# Altium PCB SolderingStation.PcbDoc (part 1 of 2) (continued)
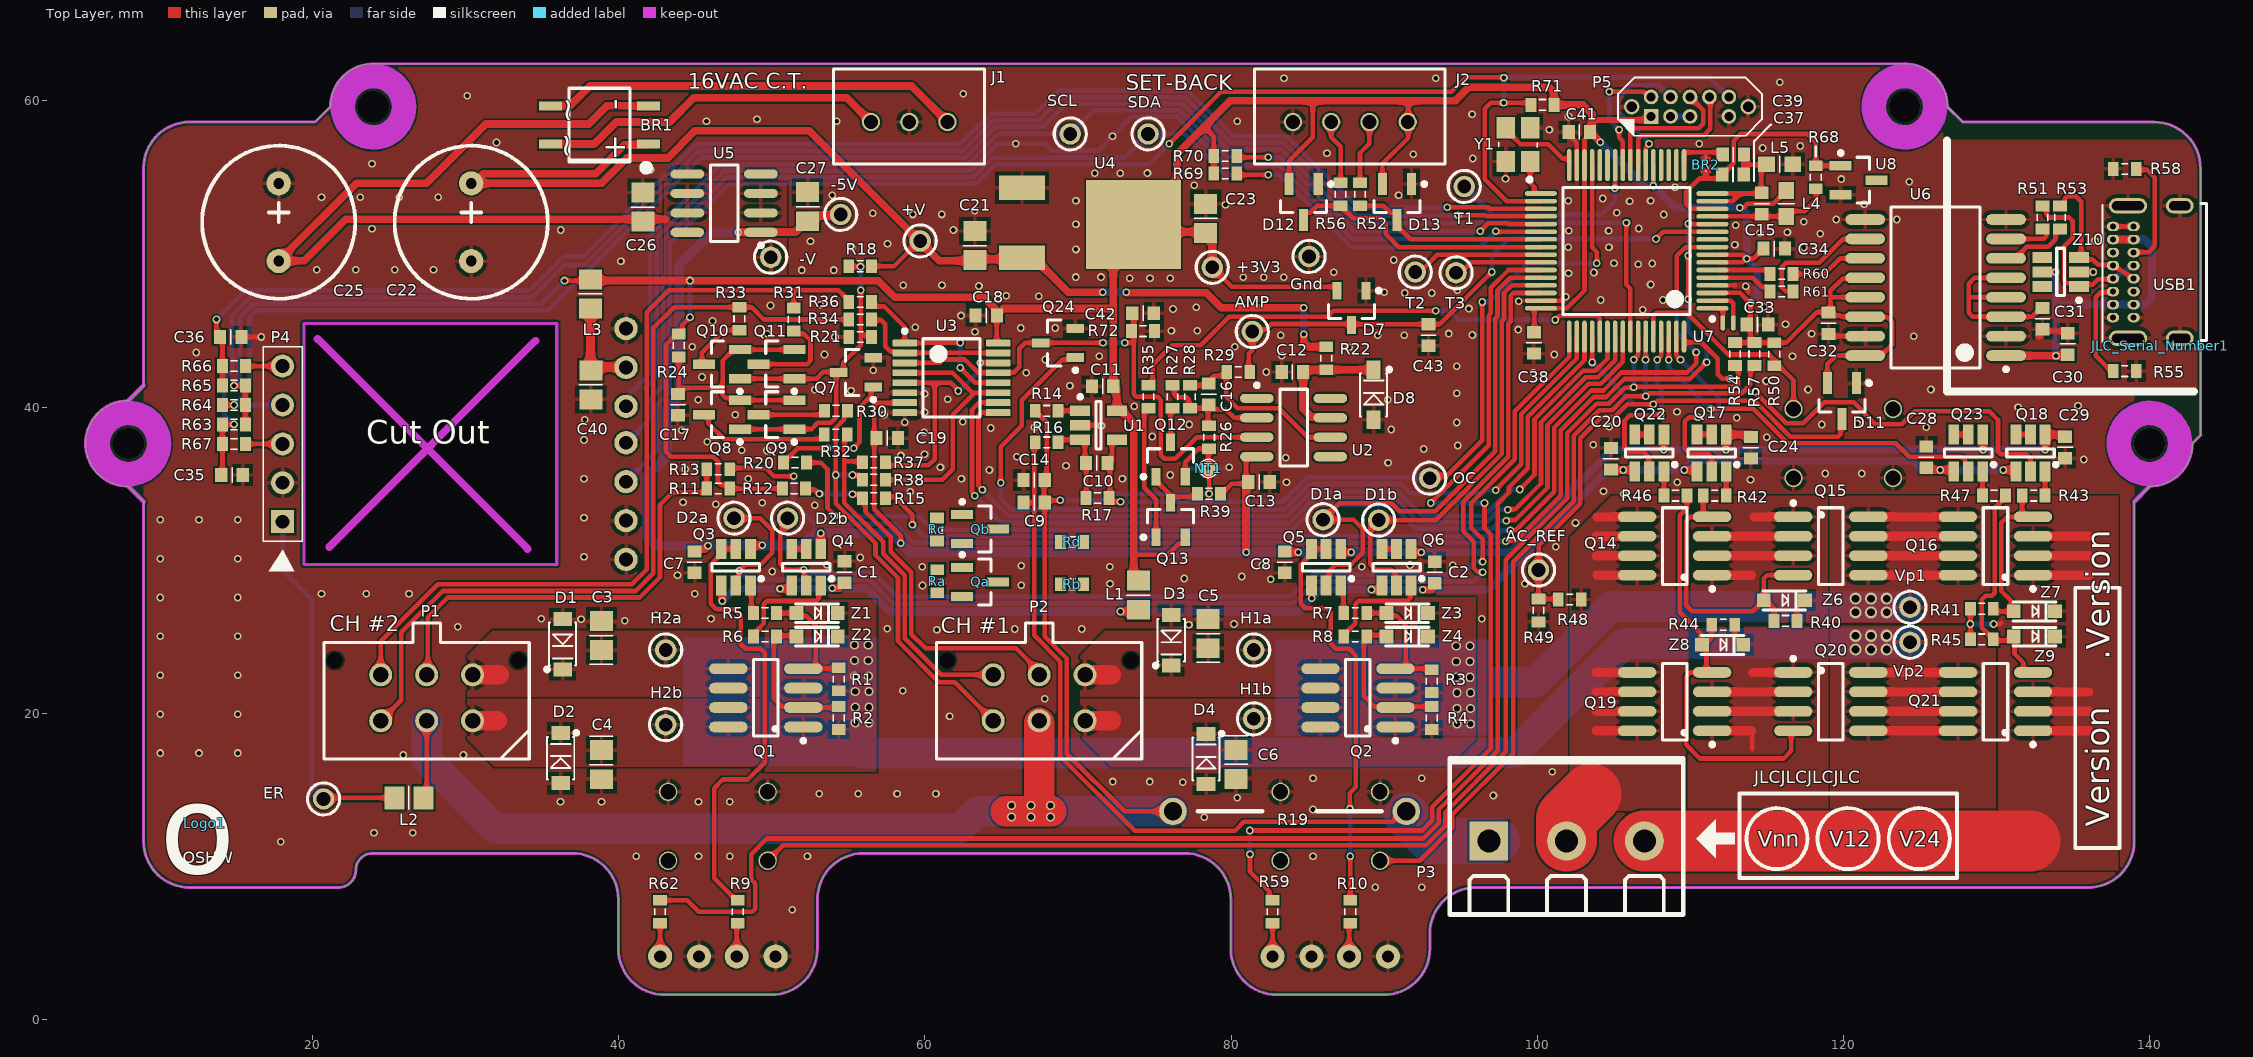
[diagram p0: Top Layer view]
## Footprints (in the part's own frame and the unit in brackets; to place one, negate y for a bottom-side part, rotate by r counter-clockwise, add the part's x,y. Pads: shape width x height; smd on the part's side, far side on the other; paste and mask are expansions set on the pad)
CC2012-0805 [mm]
  rect 1.3x1.5 smd: 1(-0.95,0) 2(0.95,0)
  silkscreen extent -1.87,-0.75 0,0.75, body extent -1,-0.62 1,0.63, height 0.78
CCNP1608-0603_N [mm]
  rect 0.8x0.9 smd: 1(-0.7,0) 2(0.7,0)
  silkscreen extent 0,-0.48 0,0.48, body extent -0.8,-0.4 0.8,0.4, height 0.3
CCNP2012-0805 [mm]
  rect 1.3x1.5 smd: 1(-0.95,0) 2(0.95,0)
  silkscreen extent 0,-0.75 0,0.75, body extent -1,-0.62 1,0.63, height 0.78
CR1608-0603_N [mm]
  rect 0.7x0.9 smd: 1(-0.75,0) 2(0.75,0)
  silkscreen extent -0.2,-0.35 0.2,0.35, body extent -0.85,-0.4 0.85,0.4, height 0.56
CRYSTAL_SMD_3.2X2.5 [mm] "Crystal SMT low profile 3.2 x 2.5 SMD"
  rect 1.4x1.2 smd: 1(-1.1,-0.8) 2(1.1,-0.8) 3(1.1,0.8) 4(-1.1,0.8)
  silkscreen extent -2.39,-1.25 0.15,1.25, body extent -1.55,-1.24 1.65,1.26, height 0.7
FB1608-0603 [mm] "Ferrite Bead 0603"
  rect 1.1x1 smd: 1(-0.85,0) 2(0.85,0)
  silkscreen extent 0,-0.53 0,0.53, body extent -0.8,-0.4 0.8,0.4, height 0.8
FB2012-0805 [mm] "Ferrite Bead 0805"
  rect 1.3x1.5 smd: 1(-0.95,0) 2(0.95,0)
  silkscreen extent 0,-0.75 0,0.75, body extent -1,-0.62 1,0.63, height 0.85
HDR1X5S [mm] "Header; 5 Position; Straight"
  rect 1.5x1.5 hole 0.9: 1(0,0)
  round 1.5 hole 0.9: 2(2.54,0) 3(5.08,0) 4(7.62,0) 5(10.16,0)
  silkscreen extent -3.24,-1.27 11.43,1.27, body extent -1.27,-1.27 11.43,1.27, height 6
JLC_SERIAL_NUMBER [mm] "JLC Serial Number"
JST-B3B-XH-AX [mm] "JST 3-pin connector PCB mount"
  round 1.2 hole 0.9: 1(-2.5,0) 2(0,0) 3(2.5,0)
  silkscreen extent -4.92,-3.45 4.95,2.75, body extent -4.95,-3.37 4.95,2.72, height 7
JST-B4B-XH-AX [mm] "JST 4-pin connector PCB mount"
  round 1.2 hole 0.9: 1(-3.75,0) 2(-1.25,0) 3(1.25,0) 4(3.75,0)
  silkscreen extent -6.17,-3.45 6.25,2.75, body extent -6.2,-3.37 6.2,2.72, height 7
"LED3MM-GREEN - 10MM PROUD" [mil] "LED 3mm through-hole"
  round 62 hole 31.5: A(-50,0) K(50,0)
  silkscreen extent -58,-75 53,75, body extent -75,-75 63,75, height 413
"LED3MM-RED - 10MM PROUD" [mil] "LED 3mm through-hole"
  round 62 hole 31.5: A(-50,0) K(50,0)
  silkscreen extent -58,-75 53,75, body extent -75,-75 63,75, height 413
MB1S [mm] "Bridge Rectifier Diode, Single Phase, 100 V, 800 mA, SOIC, 1.1 V, 4 Pins"
  rect 1.5x0.6 smd: 1(-3.2,1.25) 2(-3.2,-1.25) 3(3.2,-1.25) 4(3.2,1.25)
  silkscreen extent -3.25,-2.4 2,2.99, body extent -3.5,-2.35 3.5,2.35, height 2.4
MOLEX-39544-3003 [mm] "Wire-To-Board Terminal Block"
  rect 2.54x2.54 hole 1.5: 1(0,0)
  round 2.54 hole 1.5: 2(0,5.08) 3(0,10.16)
  silkscreen extent -5.4,-2.54 4.83,12.7, body extent -5.08,-2.54 4.83,12.7, height 14.6
MOLEX-43045-0612 [mm] "Wire-To-Board Connector, With Polarizing Peg, 3 mm, 6 Contacts, Header, Micro-Fit 3.0 43045 Series"
  round 0.8 hole 1.02: 0(-6,2.44) 0(6,2.44)
  round 1.5 hole 1.02: 1(3,-1.5) 2(0,-1.5) 3(-3,-1.5) 4(3,1.5) 5(0,1.5) 6(-3,1.5)
  silkscreen extent -6.7,-4 6.7,4.9, body extent -6.57,-3.94 6.58,4.83, height 9.95
NETTIEVIA [mm] "Net Tie (Short)"
  round 1 smd far side: 1(0,0)
  round 1 smd: 2(0,0)
  silkscreen extent -0.6,-0.6 0.6,0.6
OAR3-R050FI [mm] "Current Sense Resistor, 0.05 ohm, OAR Series, 3 W, Metal Strip, Radial Leaded, ± 1%"
  round 1.8 hole 1.2: 1(-7.62,0) 2(7.62,0)
  silkscreen extent -6,0 6,0, body extent -8.25,-0.82 8.23,0.83, height 24.21
"OLED_DISPLAY_128X64_2.4INCH - NO MOUNTING HOLES" [mm] "2.4 inch OLED Display"
  round 1.524 hole 0.9: 1(-33.5,7.572) 2(-33.5,5.032) 3(-33.5,2.492) 4(-33.5,-0.048) 5(-33.5,-2.428) 6(-33.5,-4.968) 7(-33.5,-7.508)
  silkscreen extent -36,-21.5 36,21.5, body extent -35.99,-21.45 36.01,21.55, height 6.4
OSHW [mm] "OSHW Logo"
"PCBPIN - 0.9MM" [mm]
  round 1.4 hole 0.9: 1(0,0)
  silkscreen extent -1.05,-1.05 1.05,1.05, body extent -1.27,-1.27 1.27,1.27, height 6
RB5/10X13MM [mil]
  round 62 hole 28: 1(-100,0) 2(100,0)
  silkscreen extent -197,-197 197,197, body extent -197,-197 197,197, height 512
SO-8_M [mm] "8-Pin Small Outline Integrated Circuit 1.27 mm Pitch, IPC Low Density"
  oval 0.7x2.5 smd: 1(-1.905,-2.45) 2(-0.635,-2.45) 3(0.635,-2.45) 4(1.905,-2.45) 5(1.905,2.45) 6(0.635,2.45) 7(-0.635,2.45) 8(-1.905,2.45)
  silkscreen extent -2.93,-2.57 2.5,0.8, body extent -2.5,-3.1 2.5,3.1, height 1.75
SOD-123 [mm] "SOD-123; 2 Leads; Body 2.7 x 1.6 mm, (LxW)"
  rect 1.22x0.91 smd: A(1.64,0) K(-1.64,0)
  silkscreen extent -1.78,-0.89 1.41,1.14, body extent -1.85,-0.77 1.85,0.78, height 1.35
SOD-123FL [mil] "SOD-123-Flat , 2-Leads, Body 2.7x1.65mm"
  rect 36x48 smd: A(64.5,0) K(-64.5,0)
  silkscreen extent -70,-35 55,45, body extent -71,-32 71,32, height 37
SOD-323 [mm]
  rect 0.9x0.9 smd: A(1.347,0.004) K(-1.353,0.004)
  silkscreen extent -1.4,-0.6 1.4,0.64, body extent -1.35,-0.62 1.35,0.63, height 1.1
SOIC127P600-8N [mm] "SOIC, 8-Leads, Body 4.9x3.9mm, Pitch 1.27mm, IPC Medium Density"
  oval 2.2x0.6 smd: 1(-2.4,1.905) 2(-2.4,0.635) 3(-2.4,-0.635) 4(-2.4,-1.905) 5(2.4,-1.905) 6(2.4,-0.635) 7(2.4,0.635) 8(2.4,1.905)
  silkscreen extent -2.52,-2.5 0.9,2.88, body extent -3.06,-2.5 3.14,2.5, height 1.75
SOIC127P1030-16M [mm] "SOIC, 16-Leads, Body 10.3x7.5mm, Pitch 1.27mm, IPC Low Density"
  oval 2.6x0.7 smd: 1(-4.6,4.445) 2(-4.6,3.175) 3(-4.6,1.905) 4(-4.6,0.635) 5(-4.6,-0.635) 6(-4.6,-1.905) 7(-4.6,-3.175) 8(-4.6,-4.445) 9(4.6,-4.445) 10(4.6,-3.175) 11(4.6,-1.905) 12(4.6,-0.635) 13(4.6,0.635) 14(4.6,1.905) 15(4.6,3.175) 16(4.6,4.445)
  silkscreen extent -4.72,-5.25 2.9,5.47, body extent -5.31,-5.25 5.32,5.25, height 2.62
SOLDERBRIDGE(OPEN) [mil]
  round 5 smd paste-5 mask+0: 1(-16.5,0) 2(15,0)
  Top Layer region: -21,13 -12,13 1,0 -12,-13 -21,-13
  Top Layer region: -2.5,13 10.5,0 -2.5,-13 21,-13 21,13
SOT23-5_M [mm] "SOT23, 5-Leads, Body 2.9x1.6mm, Pitch 0.95mm, Lead Span 2.7mm, IPC Low Density"
  rect 1.3x0.7 smd: 1(1.2,-0.95) 2(1.2,0) 3(1.2,0.95) 4(-1.2,0.95) 5(-1.2,-0.95)
  silkscreen extent -0.15,-1.97 1.32,1.55, body extent -1.4,-1.45 1.4,1.45, height 1.45
SOT23_M [mm] "SOT23, 3-Leads, Body 2.9x1.3mm, Pitch 0.95mm, Lead Span 2.3mm - IPC Low Density"
  rect 1.45x0.6 smd: 1(1.175,-0.95) 2(1.175,0.95) 3(-1.175,0)
  silkscreen extent -0.7,-1.9 1.29,1.5, body extent -1.25,-1.5 1.25,1.5, height 1.05
SOT23_N [mm] "SOT23, 3-Leads, Body 2.9x1.3mm, Pitch 0.95mm, Lead Span 2.3mm - IPC Medium Density"
  rect 1.15x0.6 smd: 1(1.125,-0.95) 2(1.125,0.95) 3(-1.125,0)
  silkscreen extent -0.7,-1.9 1.25,1.5, body extent -1.25,-1.5 1.25,1.5, height 1.05
"SOT457_M - 180" [mm] "SOT23, 6-Leads, Body 2.9x1.5mm, Pitch 0.95mm, Lead Span 2.8mm, IPC Low Density"
  rect 1.3x0.7 smd: 1(1.2,-0.95) 2(1.2,0) 3(1.2,0.95) 4(-1.2,0.95) 5(-1.2,0) 6(-1.2,-0.95)
  silkscreen extent -0.25,-1.97 1.33,1.55, body extent -1.5,-1.4 1.34,1.5, height 1.21
"SOT457_M - MIRROR" [mm] "SOT23, 6-Leads, Body 2.9x1.5mm, Pitch 0.95mm, Lead Span 2.8mm, IPC Low Density"
  rect 1.3x0.7 smd: 1(-1.2,-0.95) 2(-1.2,0) 3(-1.2,0.95) 4(1.2,0.95) 5(1.2,0) 6(1.2,-0.95)
  silkscreen extent -0.89,-1.78 0.25,1.55, body extent -1.34,-1.5 1.5,1.4, height 1.21
"SPACER-2MM DIA X 6MM" [mm]
  round 2 hole 2.05: 0(0,0)
  Top Layer keep-out circle w1.6: c0,0 r2
  Bottom Layer keep-out circle w1.6: c0,0 r2
  silkscreen extent -3,-3 3,3, body extent -3,-3 3,3, height 6
SW-CAP-B32-2010 [mm] "Switch cap for small push-button switch 6mm dia."
  silkscreen extent -3,-3 3,3, body extent -3,-3 3,3, height 10
SW_MIN_PB-B3F1052 [mm] "Miniature PCB Push Button projected plunger"
  round 1.2 hole 1: 1(3.25,-2.25) 1b(-3.25,-2.25) 2(3.25,2.25) 2b(-3.25,2.25)
  silkscreen extent -3,-2.77 3,2.78, body extent -3.85,-3 3.85,3, height 6.7
SWD-2X5-JIG-HEADER [mm] "Connector; SWD; 2x5 Position"
  round 1 hole 0.7: 0(-1.27,0.635) 0(6.35,0.635)
  rect 0.96x0.96 hole 0.6: 1(0,0)
  round 0.96 hole 0.6: 2(0,1.27) 3(1.27,0) 4(1.27,1.27) 5(2.54,0) 6(2.54,1.27) 8(3.81,1.27) 9(5.08,0) 10(5.08,1.27)
  silkscreen extent -2.16,-1.26 7.24,2.53, body extent -0.63,-1.09 5.72,2.31, height 4.5
TO-252 [mm] "TO-252 Package"
  rect 3x1.6 smd: 1(3.64,-2.285) 3(3.64,2.285)
  rect 6.2x5.8 smd: 4(-3.64,0.127)
  body extent -5.71,-3.14 4.23,3.4, height 2.29
TSQFP50P1200X1200-64M [mm] "Thin QFP, 64-Leads, Body 10x10mm, Pitch 0.5mm, IPC Low Density"
  oval 2.1x0.3 smd: 1(-5.6,3.75) 2(-5.6,3.25) 3(-5.6,2.75) 4(-5.6,2.25) 5(-5.6,1.75) 6(-5.6,1.25) 7(-5.6,0.75) 8(-5.6,0.25) 9(-5.6,-0.25) 10(-5.6,-0.75) 11(-5.6,-1.25) 12(-5.6,-1.75) 13(-5.6,-2.25) 14(-5.6,-2.75) 15(-5.6,-3.25) 16(-5.6,-3.75) 33(5.6,-3.75) 34(5.6,-3.25) 35(5.6,-2.75) 36(5.6,-2.25) 37(5.6,-1.75) 38(5.6,-1.25) 39(5.6,-0.75) 40(5.6,-0.25) 41(5.6,0.25) 42(5.6,0.75) 43(5.6,1.25) 44(5.6,1.75) 45(5.6,2.25) 46(5.6,2.75) 47(5.6,3.25) 48(5.6,3.75)
  oval 0.3x2.1 smd: 17(-3.75,-5.6) 18(-3.25,-5.6) 19(-2.75,-5.6) 20(-2.25,-5.6) 21(-1.75,-5.6) 22(-1.25,-5.6) 23(-0.75,-5.6) 24(-0.25,-5.6) 25(0.25,-5.6) 26(0.75,-5.6) 27(1.25,-5.6) 28(1.75,-5.6) 29(2.25,-5.6) 30(2.75,-5.6) 31(3.25,-5.6) 32(3.75,-5.6) 49(3.75,5.6) 50(3.25,5.6) 51(2.75,5.6) 52(2.25,5.6) 53(1.75,5.6) 54(1.25,5.6) 55(0.75,5.6) 56(0.25,5.6) 57(-0.25,5.6) 58(-0.75,5.6) 59(-1.25,5.6) 60(-1.75,5.6) 61(-2.25,5.6) 62(-2.75,5.6) 63(-3.25,5.6) 64(-3.75,5.6)
  silkscreen extent -5.72,-4.15 4.15,4.57, body extent -6.07,-6 5.93,6, height 1.6
TSSOP16_M [mm] "SOP, 16-Leads, Body 5.1x4.5mm, Pitch 0.65mm, IPC Low Density"
  rrect22% 1.6x0.45 smd: 1(-3.05,2.275) 2(-3.05,1.625) 3(-3.05,0.975) 4(-3.05,0.325) 5(-3.05,-0.325) 6(-3.05,-0.975) 7(-3.05,-1.625) 8(-3.05,-2.275) 9(3.05,-2.275) 10(3.05,-1.625) 11(3.05,-0.975) 12(3.05,-0.325) 13(3.05,0.325) 14(3.05,0.975) 15(3.05,1.625) 16(3.05,2.275)
  silkscreen extent -3.17,-2.55 1.85,3.17, body extent -3.2,-2.5 3.2,2.5, height 1.1
USB4085-GF-A [mm] "USB-C Connector"
  oval 0.8x0.62 hole 0.4: A1(2.18,2.975) A4(2.18,2.125) A5(2.18,1.275) A6(2.18,0.425) A7(2.18,-0.425) A8(2.18,-1.275) A9(2.18,-2.125) A12(2.18,-2.975) B1(0.83,-2.975) B4(0.83,-2.125) B5(0.83,-1.275) B6(0.83,-0.425) B7(0.83,0.425) B8(0.83,1.275) B9(0.83,2.125) B12(0.83,2.975)
  oval 1.8x1 hole 0.6 slot 1.4 at 0 deg: SH(-2.18,4.325) SH(-2.18,-4.325)
  oval 2.5x1 hole 0.6 slot 2.1 at 0 deg: SH(1.2,4.325) SH(1.2,-4.325)
  silkscreen extent -3.92,-4.47 2.88,4.57, body extent -6.41,-4.52 2.76,4.51, height 3.46

## Part data
+3V3 +V -5V -V AC_REF AMP D1a D1b D2a D2b ER Gnd H1a H1b H2a H2b OC SCL SDA T1 T2 T3 Vp1 Vp2: library part TP, "Test Point"
BR1: "Bridge Rectifier Diode, Single Phase, 100 V, 800 mA, SOIC, 1.1 V, 4 Pins", LCSC=C232821
BR2: library part SolderBridge(Open), "Solder bridge"
C1 C2 C7 C8 C9 C11 C12 C13 C14 C15 C17 C18 C19 C20 C24 C28 C29 C30 C31 C32 C33 C37 C38 C39 C41: library part Cap_CCNP_0603_100nF, "Capacitor non-polar SMT 0603", LCSC=C14663, Manufacturer="Generic Components", Class=Passive, Published=08/06/2000, Publisher="Altium Hobart Technology Centre", SubClass=Capacitor
C3 C4 C5 C6: library part Cap_CC_0805, "Capacitor SMT 0805", Manufacturer="Generic Components", Class=Passive, Published=08/06/2000, Publisher="Altium Hobart Technology Centre", SubClass=Capacitor
C10 C16 C42: library part Cap_CCNP_0603_100pF, "Capacitor non-polar SMT 0603", LCSC=C14858, Manufacturer="Generic Components", Class=Passive, Published=08/06/2000, Publisher="Altium Hobart Technology Centre", SubClass=Capacitor
C21 C26: library part Cap_CCNP_0805_2u2F, "Capacitor non-polar SMT 0805", LCSC=C49217, Manufacturer="Generic Components", Class=Passive, Published=08/06/2000, Publisher="Altium Hobart Technology Centre", SubClass=Capacitor
C22 C25: library part Cap-RB5/10x16MM
C23 C27 C40: library part Cap_CCNP_0805_10uF, "Capacitor non-polar SMT 0805", LCSC=C15850, Manufacturer="Generic Components", Class=Passive, Published=08/06/2000, Publisher="Altium Hobart Technology Centre", SubClass=Capacitor
C34: library part Cap_CCNP_0603_2u2F, "Capacitor non-polar SMT 0603", LCSC=C23630, Manufacturer="Generic Components", Class=Passive, Published=08/06/2000, Publisher="Altium Hobart Technology Centre", SubClass=Capacitor
C35 C36: library part Cap_CCNP_0603_1nF, "Capacitor non-polar SMT 0603", LCSC=C1588, Manufacturer="Generic Components", Class=Passive, Published=08/06/2000, Publisher="Altium Hobart Technology Centre", SubClass=Capacitor
C43: library part Cap_CCNP_0603_100pF, "Capacitor non-polar SMT 0603", LCSC=C21117, Manufacturer="Generic Components", Class=Passive, Published=08/06/2000, Publisher="Altium Hobart Technology Centre", SubClass=Capacitor
D1 D2 D3 D4: "Diodes - General Purpose, 1kV 1A 1.1V 1A SOD-123FL", LCSC=C64898, Class=Discrete, SubClass="Diode - Switching"
D5 D6: library part LED_3MM_GREEN, "3mm Green LED", Manufacturer="Generic Components", Class I=Optoelectronic, Class II=LED, Published=8-Jun-2000, Publisher="Altium Limited", Revision="July-2002: Re-released for DXP Platform."
D7: "Diode - Dual Series low-leakage switching, SOT-23", LCSC=C145516, DigiKey=BAV199LT1GOSCT-ND, Farnell PN=1431115
D8: "Zener Single Diode, 6.2 V, 500 mW, SOD-123, 6 %, 2 Pins, 150 °C", Ir - Reverse Current=2uA, Manufacturer=DiodesIncorporated, Maximum Operating Temperature=+150C, Minimum Operating Temperature=-65C, Package / Case=SOD-123, Package Description="2-Pin Surface Mount Device, Body 2.7 x 1.55 mm", Package Reference=SOD123, Pd - Power Dissipation=500mW, Voltage Temperature Coefficient=-0.75mV/C, Voltage Tolerance=6%, Vz - Zener Voltage=5.1V, Zener Current=5mA, Brand=DiodesIncorporated, Configuration=Single, Datasheet URL=http://www.diodes.com/_files/datasheets/ds18004.pdf, Datasheet Version="Rev. 37-2, 09/2012", Factory Pack Quantity=3000, Height=1.35mm, Length=2.85mm, Manufacturer URL=http://www.diodes.com/, Mounting Style=SMD/SMT, Mounting Technology=SurfaceMount, Packaging=Reel, Product Category=ZenerDiodes, RoHS=True, Series=BZT52C5, Termination Style=SMD/SMT, Unit Weight=0.000353oz, Width=1.7mm, Zz - Zener Impedance=60Ohms
D11 D12 D13: "Dual Series low-leakage switching diodes, 3-Pin SOT-23", LCSC=C145516, DigiKey=BAV199LT1GOSCT-ND, Farnell PN=1431115
D14 D15: library part LED_3MM_RED, "3mm Red LED", Manufacturer="Generic Components", Class I=Optoelectronic, Class II=LED, Published=8-Jun-2000, Publisher="Altium Limited", Revision="July-2002: Re-released for DXP Platform."
J1: library part JST-B3B-XH-A, DigiKey=455-2248-ND, Farnell PN=1516277, LatestRevisionDate=17-Jul-2002, LatestRevisionNote="Re-released for DXP Platform.", Publisher="Altium Limited"
J2: library part JST-B4B-XH-A, DigiKey=455-2249-ND, Farnell PN=1516278, LatestRevisionDate=17-Jul-2002, LatestRevisionNote="Re-released for DXP Platform.", Publisher="Altium Limited"
L1 L2 L3: library part "Ferrite Bead 0805 600R", "Ferrite Bead 600Ω @ 100MHz 1 500mA 300mΩ 0805", LCSC=C1017
L4 L5: library part "Ferrite Bead 0603 600R", "Ferrite Bead 600Ω @ 100MHz 1 200mA 450mΩ 0603", LCSC=C1002
OLED1: library part OLED_Display_128x64_2.4inch, "OLED Display 128x64 pixels, 2.4inch"
P1 P2: "Wire-To-Board Connector, With Polarizing Peg, 3 mm, 6 Contacts, Header, Micro-Fit 3.0 43045 Series", Farnell PN=1012248
P3: "MULTICOMP MC24367 Wire-To-Board Terminal Block"
P4: library part "Header 1x5", LatestRevisionDate=17-Jul-2002, LatestRevisionNote="Re-released for DXP Platform.", Publisher="Altium Limited"
P5: library part SWD2X5_JIG, Farnell PN=1865285, LatestRevisionDate=17-Jul-2002, LatestRevisionNote="Re-released for DXP Platform.", Publisher="Altium Limited"
Q1 Q2: "P-Channel dual MOSFET, 40 V, 7.6 A, 0.018 ohm, SOIC, Surface Mount", Farnell=2543521
Q3 Q4 Q5 Q6 Q17 Q18 Q22 Q23: "Pre-Biased NPN and PNP pair, 50 V, 100 mA, 22 kohm, 22 kohm", LCSC=C509889, Farnell PN=1680329
Q7: "General Purpose Transistor, NPN Silicon, 3-Pin SOT-23, Pb-Free, Tape and Reel", LCSC=C20526, Manufacturer="On Semiconductor", ComponentLink1Description="Manufacturer URL", ComponentLink1URL=http://www.onsemi.com/, ComponentLink2Description=Datasheet, ComponentLink2URL=http://www.onsemi.cn/pub_link/Collateral/MMBT3904LT1-D.PDF, ComponentLink3Description="Package Specification", ComponentLink3URL=http://www.onsemi.cn/pub_link/Collateral/318-08.PDF, DatasheetVersion="Rev. 12", fT Min (MHz)=300, IC Continuous (A)=0.2, Mounting Technology="Surface Mount", PackageDescription="3-Pin Small Outline Transistor, Body 2.92 x 1.3 mm, Pitch 0.95 mm", PackageReference=SOT-23-3-318-08, PackageVersion="Rev. AP, 11/2009", Packing="Tape and Reel", PartNumber=MMBT3904LT1G, Polarity=NPN, RoHS=TRUE
Q8 Q9 Q10 Q11: "P-Channel Enhancement Mode FET -0.13 A, -50 V,  RDS(ON) = 10R at VGS = -5 V", LCSC=C8492
Q12 Q24: "N-channel enhancement mode FET, , 30 V, 850 mA, 0.4 ohm, SOT23", LCSC=C88711, ComponentLink1Description="Manufacturer Link", ComponentLink1URL=http://www.zetex.com/, ComponentLink2Description=Datasheet, ComponentLink2URL=www.zetex.com/3.0/pdf/BSS138.pdf, Farnell PN=1081307, PackageDescription="SOT-23; 3 Leads; Body 3.1 x 2.5 mm, inc. leads (LxW max), Alternate Lead Configuration"
Q13: "General Purpose Transistor, PNP Silicon, 3-Pin SOT-23, Pb-Free, Tape and Reel", LCSC=C53444, Manufacturer="On Semiconductor", ComponentLink1Description="Manufacturer URL", ComponentLink1URL=http://www.onsemi.com/, ComponentLink2Description=Datasheet, ComponentLink2URL=http://www.onsemi.cn/pub_link/Collateral/MMBT3906LT1-D.PDF, ComponentLink3Description="Package Specification", ComponentLink3URL=http://www.onsemi.cn/pub_link/Collateral/318-08.PDF, DatasheetVersion="Rev. 11", fT Min (MHz)=250, IC Continuous (A)=-0.2, Mounting Technology="Surface Mount", PackageDescription="3-Pin Small Outline Transistor, Body 2.92 x 1.3 mm, Pitch 0.95 mm", PackageReference=SOT-23-3-318-08, PackageVersion="Rev. AP, 11/2009", Packing="Tape and Reel", PartNumber=MMBT3906LT1G, Polarity=PNP, RoHS=TRUE
Q14 Q15 Q16 Q19 Q20 Q21: "P-Channel Power MOSFET, 11 A, 40 V, RDS(ON) = 0.013 ohm @ VGS = -10   VRDS(ON) = 0.017 ohm @ VGS =   -4.5 VC", Drain-Source On Resistance-Max=13mO, Drain-to-Source Voltage [Vdss]=40V, Manufacturer="Fairchild Semiconductor", Package Description="8-Pin Small Outline Integrated Circuit, Body 4.9 x 3.9 mm, Pitch 1.27 mm", Package Reference=SO-8, Package Version="Rev. 16, 08/2015", Rated Power Dissipation=2.4W, Temperature=25, Channel Type=P-Channel, Datasheet URL=https://www.fairchildsemi.com/datasheets/FD/FDS4675.pdf, Datasheet Version="Rev. C(W), 02/2001", Manufacturer URL=https://www.fairchildsemi.com/, Mounting Technology=SurfaceMount, Package URL=https://www.fairchildsemi.com/package-drawings/M0/M08A.pdf, Qg Gate Charge=56nC
Qa Qb: library part MMBT3904LT1G, "SOT23", ComponentLink1Description="Manufacturer URL", ComponentLink1URL=http://www.onsemi.com/, ComponentLink2Description=Datasheet, ComponentLink2URL=http://www.onsemi.cn/pub_link/Collateral/MMBT3904LT1-D.PDF, ComponentLink3Description="Package Specification", ComponentLink3URL=http://www.onsemi.cn/pub_link/Collateral/318-08.PDF
R1 R2 R3 R4 R5 R6 R7 R8 R42 R43 R46 R47 R69 R70: library part Res_CR0603_4k7, "Resistor SMT 0603", LCSC=C23162, Manufacturer="Generic Components", Class=Passive, Published=08/06/2000, Publisher="Altium Hobart Technology Centre", SubClass=Resistor
R9 R10 R59 R62: library part Res_CR0603_470R, "Resistor SMT 0603", LCSC=C23179, Manufacturer="Generic Components", Class=Passive, Published=08/06/2000, Publisher="Altium Hobart Technology Centre", SubClass=Resistor
R11 R12 R13 R14 R15 R16 R18 R20 R26 R28 R35 R50 R54 R57 R63 R64 R65 R71: library part Res_CR0603_10k, "Resistor SMT 0603", LCSC=C25804, Manufacturer="Generic Components", Class=Passive, Published=08/06/2000, Publisher="Altium Hobart Technology Centre", SubClass=Resistor
R17 R21 R30 R31 R32 R33 R39: library part Res_CR0603_22k, "Resistor SMT 0603", LCSC=C31850, Manufacturer="Generic Components", Class=Passive, Published=08/06/2000, Publisher="Altium Hobart Technology Centre", SubClass=Resistor
R19: "Current Sense Resistor, 0.05 ohm, OAR Series, 3 W, Metal Strip, Radial Leaded, 1%"
R22 R29: library part Res_CR0603_0R, "Resistor SMT 0603", LCSC=C22775, Manufacturer="Generic Components", Class=Passive, Published=08/06/2000, Publisher="Altium Hobart Technology Centre", SubClass=Resistor
R24: library part Res_CR0603_10R, "Resistor SMT 0603", LCSC=C22859, Manufacturer="Generic Components", Class=Passive, Published=08/06/2000, Publisher="Altium Hobart Technology Centre", SubClass=Resistor
R27: library part Res_CR0603_3k3, "Resistor SMT 0603", LCSC=C22775, Manufacturer="Generic Components", Class=Passive, Published=08/06/2000, Publisher="Altium Hobart Technology Centre", SubClass=Resistor
R34 R36 R37 R38: library part Res_CR0603_3k3, "Resistor SMT 0603", LCSC=C22978, Manufacturer="Generic Components", Class=Passive, Published=08/06/2000, Publisher="Altium Hobart Technology Centre", SubClass=Resistor
R40 R41 R44 R45: library part Res_CR0603_39k, "Resistor SMT 0603", LCSC=C23153, Manufacturer="Generic Components", Class=Passive, Published=08/06/2000, Publisher="Altium Hobart Technology Centre", SubClass=Resistor
R48: library part Res_CR0603_15k, "Resistor SMT 0603", LCSC=C22809, Manufacturer="Generic Components", Class=Passive, Published=08/06/2000, Publisher="Altium Hobart Technology Centre", SubClass=Resistor
R49: library part Res_CR0603_4k3, "Resistor SMT 0603", LCSC=C23159, Manufacturer="Generic Components", Class=Passive, Published=08/06/2000, Publisher="Altium Hobart Technology Centre", SubClass=Resistor
R51 R53 R60 R61 R66 R67: library part Res_CR0603_33R, "Resistor SMT 0603", LCSC=C23140, Manufacturer="Generic Components", Class=Passive, Published=08/06/2000, Publisher="Altium Hobart Technology Centre", SubClass=Resistor
R52 R56 R68: library part Res_CR0603_1k, "Resistor SMT 0603", LCSC=C21190, Manufacturer="Generic Components", Class=Passive, Published=08/06/2000, Publisher="Altium Hobart Technology Centre", SubClass=Resistor
R55 R58: library part Res_CR0603_5k1, "Resistor SMT 0603", LCSC=C23186, Manufacturer="Generic Components", Class=Passive, Published=08/06/2000, Publisher="Altium Hobart Technology Centre", SubClass=Resistor
R72: library part Res_CR0603_1M, "Resistor SMT 0603", LCSC=C22935, Manufacturer="Generic Components", Class=Passive, Published=08/06/2000, Publisher="Altium Hobart Technology Centre", SubClass=Resistor
Ra Rb Rc Rd: library part Res_CR0603, "Resistor SMT 0603", Manufacturer="Generic Components", Class=Passive, Published=08/06/2000, Publisher="Altium Hobart Technology Centre", SubClass=Resistor
S1 S2 S3: "Switch miniature push-button", Manufacturer="Generic Components", Farnell PN=196094202, Published=24-Mar-1999, Publisher="Altium Limited", Revision="July-2002: Re-released for DXP Platform."
SC1 SC2 SC3: library part "Switch-Cap - B32-2010", "Switch Cap", Farnell PN=2352313
SP1 SP2 SP3 SP4: library part Spacer-6mm
U1: "Op-Amp, Single supply R-R in/out", LCSC=C21403
U2: "Op-Amp 14MHz, MUX-friendly, low-noise, Zero-Drift, RRO, CMOS precision"
U3: "Analog Multiplexer / Demultiplexer, 4:1, 2 Circuits, 225 ohm, 2V to 10V, TSSOP-16", LCSC=C547006, Farnell PN=2445305
U4: "IC REG LINEAR +3V3 1A TO252-3", LCSC=C152529, DigiKey=NCP1117DT33T5GOSCT-ND, Farnel=2464254
U5: "IC REG LINEAR -5V 100MA SOIC-8", LCSC=C154823, DigiKey=UA79M05CKVURG3, Farnell PN=3122804
U6: "Full/Low Speed 5 kV USB Digital Isolator", Farnell PN=2061081
U7: "Arm Cortex M4 / Applies to MK20DX64VLH7, MK20DX128VLH7, MK20DX256VLH7"
U8: library part LM4040BIM3-2.5/NOPB, "IC 2.5V VREF SHUNT 0.2% SOT23-3", LCSC=C131939, DigiKey=LM4040BIM3X-2.5/NOPBCT-ND, Farnell PN=3124419
USB1: "USB-C, USB 2.0 Receptacle Connector 16 Position Through Hole, Right Angle", Digikey Part Number=2073-USB4085-GF-ACT-ND, Angle=90, DigiKey=2073-USB4085-GF-ACT-ND, Digikey Link=https://www.digikey.ee/product-detail/en/gct/USB4085-GF-A/2073-USB4085-GF-ACT-ND/9859733, Farnell PN=2924867, Part Number=USB4085-GF-A
Y1: library part "Crystal 16MHz", "Crystal SMD 3.2 x 2.5 x 0.7 mm", LCSC=C13738, Manufacturer="Generic Components", Class=Oscillator, Published=08/06/2000, Publisher="Altium Hobart Technology Centre", SubClass="Crystal Oscillator"
Z1 Z2 Z3 Z4 Z6 Z7 Z8 Z9: "Surface Mount Zener Diode, 12-13 V, -65 to 150 degC, SOD-123", LCSC=C124208
Z10: "Ultra low capacitance quadruple rail-to-rail ESD protection", LCSC=C393377, DigiKey=CM1293A-04SOOSCT-ND, Farnell PN=2533258

## Free pads (board coordinates)
  oval 0.3x1 smd: Com(112.116,45.491) Com(112.801,45.491)

## Via types
v1: diameter 0.5, hole 0.3, Top Layer to Bottom Layer, tented both sides, 440 vias
v2: diameter 0.6, hole 0.4, Top Layer to Bottom Layer, tented both sides, 30 vias
v3: diameter 0.8, hole 0.5, Top Layer to Bottom Layer, tented both sides, 12 vias
v4: diameter 0.75, hole 0.3, Top Layer to Bottom Layer, tented both sides, 1 vias

## Nets (pads, with @x,y where several pads share a name; then routed paths per layer and width w, separated by ;. In a path a pad name is that pad's centre, name@x,y a point inside that pad or via, vN(x,y) a via of type N, cw(c..) or ccw(c..) an arc to the next point about the centre after c; other vN are vias at no path point)
5V_USB: C30.2 U6.1 USB1.A4 USB1.A9 USB1.B4 USB1.B9 Z10.5 | length 24.4
  Top Layer w0.3: Z10.5@132.974,48.822 v1(133.863,48.822)
  Top Layer w0.508: U6.1@130.508,43.361 130.525,43.344 C30.2@134.499,43.344 ; C30.2@134.464,43.308 C30.2@134.499,43.344 ; C30.2@134.517,43.361 C30.2@134.499,43.344 ; C30.2@134.525,43.344 C30.2@134.499,43.344 ; USB1.A9@137.596,50.942 USB1.B4@138.945,50.942
  Bottom Layer w0.508: v1(133.863,48.822) 133.863,46.517 ; v1@133.87,43.308 133.87,46.51 133.863,46.517 ; USB1.A9@137.596,50.942 USB1.B4@138.945,50.942 ; USB1.B9@138.945,46.692 USB1.A4@137.596,46.692 134.038,46.692 133.863,46.517 ; USB1.B9@138.967,46.714 139.685,46.714 140.143,47.171 140.143,50.473 139.652,50.964 USB1.B4@138.967,50.964
  other v1: 133.87,43.343
+3V3: +3V3.1 C11.1 C18.1 C23.2 C32.2 C33.2 C34.2 C38.2 C41.2 D7.2 D11.2 D12.2 D13.2 J2.1 L1.1 L3.1 L4.2 P5.1 Q13.2 R11.2 R12.2 R24.1 R50.2 R54.2 R57.2 R63.2 R64.2 R65.2 R69.2 R70.2 R71.2 U1.5 U3.16 U4.4 U6.12 U6.13 U6.14 U6.16 U7.3 U7.7 U7.8 U7.21 U7.30 U7.48 | length 262
  Top Layer w0.3: v1(14.871,41.403) R65.2@15.621,41.403 R64.2@15.621,40.133 R63.2@15.621,38.863 ; v1(36.461,48.261) L3.1@37.77,48.261 ; v1@44.642,45.861 44.642,45.837 44.163,45.358 44.163,44.968 43.963,44.768 R24.1@43.917,44.768 43.717,44.568 43.598,44.568 43.089,44.059 43.089,37.072 43.407,36.754 46.177,36.754 46.482,36.449 46.482,35.099 46.658,34.923 47.044,34.923 47.244,34.723 R11.2@47.244,34.672 R12.2@50.697,34.672 ; U3.16@64.684,44.186 C18.1@64.684,45.907 ; 73.621,33.02 73.635,33.02 ; 73.635,30.378 73.66,30.353 75.862,30.353 76.573,31.064 76.848,31.064 76.998,31.214 Q13.2@76.998,31.489 ; 73.635,31.75 73.721,31.664 ; 78.232,58.293 78.865,57.66 R70.2@78.865,56.389 R69.2@78.865,55.246 ; +3V3.1@78.765,49.124 80.036,47.854 D7.2@86.868,47.854 ; D12.2@83.783,54.569 83.783,56.085 85.33,57.632 85.33,59.998 ; D13.2@89.879,54.519 D13.2@89.879,54.569 89.879,55.883 91.579,57.583 91.579,59.998 ; 92.781,59.981 92.798,59.998 ; C38.2@99.771,45.041 99.803,45.073 U7.48@99.803,46.449 ; U7.48@100.227,46.449 101.927,46.449 103.077,47.599 U7.30@103.077,55.799 103.077,57.482 103.193,57.598 103.193,57.708 C41.2@103.443,57.958 ; v1(107.577,54.445) U7.21@107.577,55.799 ; U7.7@111.866,49.452 113.389,49.452 113.619,49.682 v1@113.659,49.682 ; U7.8@111.866,49.952 113.389,49.952 v1@113.659,49.682 ; U7.3@111.916,47.452 113.23,47.452 113.783,46.899 113.883,46.8 v1(113.937,46.8) 113.919,46.782 113.919,45.633 C33.2@113.676,45.39 113.919,45.147 R57.2@113.919,44.209 ; R54.2@113.208,44.209 R57.2@113.919,44.209 ; v1(113.208,53.01) 113.246,53.048 113.5,53.048 113.718,53.266 115.394,53.266 115.867,53.739 115.906,53.739 L4.2@115.906,54.122 ; C34.2@114.767,50.346 114.767,50.296 114.517,50.046 114.467,50.046 114.103,49.682 v1(113.665,49.682) v1@113.659,49.682 ; R50.2@115.468,44.205 116.239,44.205 118.236,46.202 118.895,46.202 C32.2@119.011,46.317 ; R50.2@115.573,44.209 R57.2@114.172,44.209 R57.2@113.919,44.209 ; D11.2@118.938,41.561 118.938,42.786 119.513,43.361 U6.16@121.408,43.361 122.439,43.361 123.165,44.087 123.165,45.569 122.861,45.873 121.436,45.873 U6.14@121.408,45.901 119.834,45.901 119.757,45.978 119.35,45.978 C32.2@119.011,46.317 ; U6.12@120.808,48.441 120.75,48.384 119.936,48.384 119.138,47.586 119.138,47.245 ; U6.13@121.408,47.171 119.212,47.171 119.138,47.245 ; C32.2@119.011,46.317 119.138,46.444 119.138,47.245
  Top Layer w0.4: C41.2@103.564,57.937 103.564,57.787 103.643,57.708 103.714,57.708 104.115,57.307 v1(104.115,57.302) ; 103.683,58.75 107.195,58.75 P5.1@107.427,58.982
  Top Layer w0.5: L3.1@37.77,48.346 37.856,48.26 v1(44.653,48.26) 44.661,48.252 56.955,48.252 58.039,47.168 63.83,47.168 64.558,46.44 64.558,46.174 64.578,46.154 C18.1@64.684,46.154 ; C18.1@64.666,45.975 65.121,46.431 72.288,46.431 ; C11.1@72.298,41.356 72.298,45.995 ; C11.1@72.298,41.506 72.535,41.269 U1.5@72.535,39.763 72.635,39.663 72.935,39.663 73.635,38.963 73.635,33.02 73.635,31.75 73.635,30.378 L1.1@73.635,28.651 ; 77.851,57.912 78.232,58.293 79.937,59.998 85.33,59.998 91.579,59.998 92.798,59.998 94.649,59.998 95.529,60.879 100.777,60.879 101.069,60.586 101.069,59.747 R71.2@101.08,59.736 102.976,59.736 103.564,59.149 C41.2@103.564,57.937
  Top Layer w0.508: 72.298,45.995 72.298,46.431 U4.4@72.298,49.886 ; U4.4@73.629,51.817 73.808,51.817 76.454,54.463 76.454,56.515 77.851,57.912 ; U4.4@74.01,51.436 78.183,51.436 78.244,51.375 78.368,51.375 78.765,50.978 +3V3.1@78.765,49.124
  Bottom Layer w0.3: v1(14.871,41.403) 15.252,41.784 15.252,45.848 16.141,46.737 34.937,46.737 v1(36.461,48.261) ; v1(44.653,45.872) v1(44.653,48.26)
  Bottom Layer w0.5: v1(113.208,53.01) 113.31,53.01 113.665,52.655 v1(113.665,49.682) 114.368,48.979 114.368,47.231 v1(113.937,46.8)
  Bottom Layer w0.508: v1(104.115,57.302) 106.972,54.445 v1(107.577,54.445) 109.012,53.01 v1(113.208,53.01)
+3V3_I: C1.1 C2.1 C20.1 C28.1 L1.2 Q3.3 Q4.3 Q5.3 Q6.3 Q17.3 Q18.3 Q22.3 Q23.3 | length 100.4
  Top Layer w0.4: C1.1@54.387,28.162 C1.1@54.661,28.436 ; Q5.3@85.25,28.34 85.253,28.337 v1(85.253,27.52)
  Top Layer w0.5: v1@46.761,27.33 v1(46.763,27.332) Q3.3@46.763,28.34 ; v1(50.538,28.13) 50.547,28.138 51.225,28.138 Q4.3@51.225,28.213 ; v1(53.942,28.155) 53.949,28.162 C1.1@54.387,28.162 ; v1(72.771,26.645) L1.2@73.708,26.645 ; v1(89.164,28.079) 89.775,28.079 89.85,28.154 Q6.3@89.85,28.34 ; v1(92.507,28.067) 93.05,28.067 93.28,28.297 C2.1@93.28,28.37 ; C20.1@104.8,35.777 104.914,35.89 v1(105.613,35.89) 106.278,35.89 Q22.3@106.365,35.803 ; v1(109.601,35.89) 110.342,35.89 Q17.3@110.429,35.803 ; C28.1@125.4,35.853 125.437,35.89 v1(126.314,35.89) 127.106,35.89 Q23.3@127.193,35.803 ; v1(130.429,35.89) 131.17,35.89 Q18.3@131.257,35.803
  Bottom Layer w0.5: v1(46.763,27.332) 47.574,28.143 50.524,28.143 v1(50.538,28.13) 53.916,28.13 v1(53.942,28.155) 56.186,28.155 57.696,26.645 v1(72.771,26.645) 84.377,26.645 85.811,28.079 v1(89.164,28.079) 89.176,28.067 v1(92.507,28.067) 96.809,28.067 104.632,35.89 v1(105.613,35.89) v1(109.601,35.89) 110.211,36.5 124.504,36.5 125.113,35.89 v1(126.314,35.89) v1(130.429,35.89)
+9V: +V.1 BR1.1 C21.2 C22.1 R18.1 R22.1 U4.3 | length 80.8
  Top Layer w0.3: R18.1@56.63,49.2 57.98,49.2 59.631,50.851 +V.1@59.69,50.851
  Top Layer w0.5: C22.1@30.365,54.611 C22.1@30.56,54.611 ; BR1.1@41.947,57.171 41.902,57.127 40.373,57.127 38.493,55.246 31.195,55.246 C22.1@30.56,54.611 ; U4.3@66.337,49.836 67.037,49.836 67.587,49.286 67.587,49.278 69.367,47.498 v1(71.603,47.498) ; U4.3@66.349,49.659 63.32,49.659 C21.2@63.258,49.597 63.258,49.555 60.926,49.555 59.631,50.851 52.441,58.04 44.97,58.04 43.192,56.262 40.525,56.262 38.874,54.611 C22.1@30.56,54.611 ; v1(73.152,47.498) 73.177,47.473 78.359,47.473 78.664,47.168
  Top Layer w0.508: 78.664,47.168 79.35,46.482 v1(84.734,46.482) ; v1(84.734,44.755) 84.734,44.266 85.07,43.93 R22.1@86.208,43.93
  Bottom Layer w0.5: v1(71.603,47.498) v1(73.152,47.498)
  Bottom Layer w0.508: v1(84.734,44.755) v1(84.734,46.482)
-5V: -5V.1 C7.1 C8.1 C13.1 C19.1 C24.1 C27.2 C29.1 Q3.6 Q4.6 Q5.6 Q6.6 Q17.6 Q18.6 Q22.6 Q23.6 R39.1 U2.4 U3.7 U5.1 | length 157.9
  Top Layer w0.3: U3.7@58.379,40.262 56.899,40.262 56.693,40.056 56.693,37.974 56.693,33.325 58.42,31.598 v1(58.42,31.115) ; U3.7@58.76,40.262 U3.7@58.784,40.286 ; R39.1@79.287,34.138 79.461,34.312 79.461,34.412 80.045,34.996 80.859,34.996 80.969,35.106 U2.4@80.969,36.74 ; C8.1@83.679,30.39 C8.1@83.802,30.514
  Top Layer w0.5: C7.1@45.15,30.531 45.15,30.72 45.603,30.72 v1(45.832,30.949) ; Q3.6@48.663,30.74 48.663,30.888 48.738,30.963 v1(49.378,30.963) ; v1(53.198,31.762) 53.2,31.76 Q4.6@53.2,30.74 ; C8.1@83.5,30.72 83.703,30.517 v1(84.389,30.517) ; Q5.6@87.15,30.74 87.15,30.592 87.225,30.517 v1(87.843,30.517) ; Q6.6@91.825,30.505 v1(92.405,30.505) ; v1(108.255,37.211) 108.255,38.193 Q22.6@108.265,38.203 ; v1(112.319,37.211) 112.319,38.193 Q17.6@112.329,38.203 113.929,38.203 C24.1@113.944,38.188 ; Q23.6@129.093,38.203 129.108,38.188 v1(129.108,37.211) ; v1(133.172,37.211) 133.172,38.188 Q18.6@133.157,38.203 133.162,38.208 134.462,38.208 C29.1@134.468,38.213
  Top Layer w0.508: v1(47.814,51.411) U5.1@49.287,51.411 49.305,51.429 51.542,51.429 51.84,51.726 51.84,51.741 52.236,52.137 C27.2@52.336,52.137 ; C27.2@52.336,52.518 -5V.1@54.622,52.518 ; C13.1@80.969,35.106 80.969,30.532 v1(80.975,30.526)
  Bottom Layer w0.5: 89.154,30.526 98.222,30.526 104.907,37.211 v1(108.255,37.211) v1(112.319,37.211) v1(129.108,37.211) v1(133.172,37.211)
  Bottom Layer w0.635: v1(47.814,51.411) 46.087,51.411 43.942,49.266 43.942,40.716 43.147,39.921 43.147,36.787 41.843,35.483 41.843,31.576 42.47,30.949 v1(45.832,30.949) 45.845,30.963 51.994,30.963 52.793,31.762 57.773,31.762 59.009,30.526 v1(80.975,30.526) 80.984,30.517 v1(84.389,30.517) v1(87.843,30.517) 87.852,30.526 89.154,30.526
-9V: -V.1 BR1.2 C25.2 C26.2 U5.2 U5.3 U5.6 U5.7 | length 54.8
  Top Layer w0.5: C25.2@17.792,49.531 C25.2@17.807,49.547 ; BR1.2@41.947,59.671 39.235,59.671 38.048,58.485 31.317,58.485 27.444,54.611 22.872,54.611 C25.2@17.807,49.547 ; 43.078,52.273 22.184,52.273 19.458,49.547 C25.2@17.807,49.547
AC_REF: AC_REF.1 D11.3 R48.2 R49.2 U7.52 | length 39.9
  Top Layer w0.3: R48.2@101.497,27.466 R49.2@100.076,27.466 AC_REF.1@100.076,29.358 100.076,30.95 102.798,33.672 102.798,37.954 104.218,39.373 105.063,39.373 105.867,40.178 107.611,40.178 107.845,40.411 114.179,40.411 116.52,38.07 119.634,38.07 119.801,38.237 119.801,38.844 119.801,39.124 D11.3@119.888,39.211 ; U7.52@103.577,44.599 103.577,42.925 v1(103.59,42.913)
  Bottom Layer w0.3: v1(103.59,42.913) 106.324,40.178 v1(107.569,40.178)
AMP_IN: C42.2 Q24.3 R72.2 U2.3 U3.3 U3.13 | length 34.5
  Top Layer w0.3: U3.3@58.684,42.886 60.958,42.886 61.176,43.104 62.611,43.104 63.478,42.236 U3.13@64.784,42.236 64.796,42.249 65.803,42.249 66.167,42.613 66.167,43.815 66.548,44.196 v1(71.628,44.196) ; v1(73.038,44.2) 73.631,44.2 73.635,44.196 ; C42.2@73.635,46.105 73.635,45.72 73.635,44.196 ; U2.3@81.63,38.027 77.753,38.027 76.352,36.627 75.641,36.627 75.413,36.855 75.413,40.462 75.209,40.665 73.81,40.665 73.635,40.841 73.635,44.196
  Bottom Layer w0.3: v1(71.628,44.196) v1@72.949,44.196
BIAS_En: R20.2 U7.56 | length 66.5
  Top Layer w0.3: R20.2@52.261,36.373 53.213,36.373 53.637,35.949 53.637,33.4 v1@54.088,32.949 ; v1(97.968,32.583) 98.006,32.622 98.565,32.622 100.663,34.72 100.663,38.838 103.334,41.508 104.138,41.508 105.577,42.947 U7.56@105.577,44.599
  Bottom Layer w0.3: v1@54.101,32.907 54.133,32.875 59.627,32.875 60.509,31.993 83.977,31.993 85.6,33.616 90.514,33.616 92.08,32.05 97.053,32.05 97.582,32.579 97.963,32.579 v1(97.968,32.583)
  other v1: 54.088,32.894
CH1_ACT: Q5.4 Q5.5 R10.2 | length 27.3
  Top Layer w0.3: Q5.5@86.122,30.599 Q5.5@86.263,30.74 ; Q5.5@86.122,30.74 85.313,30.74 85.138,30.565 85.138,30.306 84.549,29.718 84.549,27.153 84.848,26.854 86.23,26.854 86.504,26.58 86.504,24.537 86.835,24.206 87.704,24.206 88.15,23.761 88.15,15.188 87.757,14.795 v1(87.757,13.767) ; v1(87.769,10.669) 87.781,10.657 R10.2@87.781,7.789
  Bottom Layer w0.3: v1(87.757,13.767) 87.769,13.755 v1(87.769,10.669)
CH1_BTN: R57.1 S3.2 U7.59 | length 52.4
  Top Layer w0.3: S3.2@89.726,10.367 92.308,10.367 94.423,12.482 94.423,13.363 98.425,17.365 98.425,29.902 102.371,33.848 102.371,38.13 104.041,39.8 104.886,39.8 105.79,40.705 v1(107.08,40.705) 107.134,40.705 107.323,40.894 113.335,40.894 113.915,41.474 R57.1@113.915,42.545 ; v1(107.061,43.099) 107.077,43.115 U7.59@107.077,44.599
  Bottom Layer w0.3: v1(107.061,43.099) 107.061,40.724 v1(107.08,40.705)
CH1_ID: P2.5 R12.1 R15.1 | length 23.8
  Top Layer w0.3: R12.1@52.197,34.672 52.275,34.594 52.821,34.594 53.088,34.327 v1(53.11,34.327) ; v1(55.27,34.315) 55.704,34.315 56.117,33.902 56.117,33.164 57.766,31.515 57.766,30.538 59.106,29.199 59.106,25.171 60.041,24.236 65.947,24.236 67.461,22.722 P2.5@67.461,22.509
  Bottom Layer w0.3: v1(53.11,34.327) 53.116,34.321 55.264,34.321 v1(55.27,34.315)
CH1_ID1: R15.2 U7.9 | length 71.7
  Top Layer w0.3: R15.2@57.404,34.037 57.508,34.142 58.017,34.142 59.182,32.976 v1(59.182,32.304) ; v1(98.226,31.94) 98.249,31.964 98.593,31.964 101.09,34.461 101.09,38.661 103.51,41.081 104.315,41.081 105.49,42.256 109.774,42.256 110.363,42.845 v1(110.363,43.586) ; v1@109.093,47.058 109.093,49.869 109.673,50.449 U7.9@111.427,50.449
  Bottom Layer w0.3: v1(59.182,32.304) 59.92,31.566 97.306,31.566 97.68,31.94 v1(98.226,31.94) ; v1(109.093,47.036) 109.093,44.856 v1(110.363,43.586)
CH1_SB: D13.3 R52.1 U7.39 | length 13.2
  Top Layer w0.3: R52.1@88.316,53.152 R52.1@88.416,53.152 89.946,53.152 90.404,52.694 90.679,52.694 90.829,52.544 D13.3@90.829,52.269 ; D13.3@90.829,52.219 90.829,51.794 90.979,51.644 91.023,51.644 91.718,50.949 U7.39@100.227,50.949
CH1_SEL: R59.1 U7.43 | length 62.7
  Top Layer w0.3: v1(81.215,12.346) 92.475,12.346 93.142,13.013 93.142,13.894 96.945,17.697 96.945,31.675 96.545,32.075 v1(96.545,33.731) ; v1(81.229,10.795) 81.229,9.64 82.497,8.372 82.497,7.893 R59.1@82.601,7.789 ; v1(93.04,33.731) 96.82,37.511 96.82,45.969 96.966,46.115 96.966,47.804 98.111,48.949 U7.43@100.227,48.949
  Bottom Layer w0.3: v1(81.215,12.346) 81.215,10.809 v1(81.229,10.795) ; v1(93.04,33.731) v1(96.545,33.731)
CH1a_DRVn: D1a.1 Q5.2 U7.44 | length 35.2
  Top Layer w0.3: Q5.2@86.391,28.468 86.391,29.273 86.835,29.718 87.826,29.718 88.588,30.48 88.588,32.043 87.992,32.639 D1a.1@86.004,32.639 87.071,33.706 90.5,33.706 91.008,33.198 93.333,33.198 97.247,37.112 97.247,45.792 97.393,45.939 97.393,47.627 98.215,48.449 U7.44@100.227,48.449
CH1a_Htr+: C5.1 D3.K H1a.1 P2.4 Q2.5 Q2.6 | length 1.7
  Top Layer w1.27: P2.4@70.461,22.509 72.183,22.509
CH1a_Thm+: P2.6 R32.1 R37.2 | length 23
  Top Layer w0.3: 54.737,36.45 54.737,38.007 54.74,38.01 R32.1@54.74,38.282 ; R37.2@55.904,36.45 54.738,36.45 54.738,33.73 57.274,31.195 57.274,30.427 58.674,29.026 58.674,24.905 61.07,22.509 P2.6@64.461,22.509
CH1b_DRVn: D1b.1 Q6.2 U7.45 | length 28.5
  Top Layer w0.3: D1b.1@89.096,32.487 89.096,29.736 89.457,29.375 90.459,29.375 90.79,29.044 90.79,28.35 Q6.2@90.8,28.34 ; D1b.1@89.637,32.614 93.353,32.614 97.674,36.935 97.674,45.615 97.82,45.762 97.82,47.45 98.319,47.949 U7.45@100.227,47.949
CH1b_Htr+: C6.1 D4.K H1b.1 P2.1 Q2.7 Q2.8 | length 1.7
  Top Layer w1.27: P2.1@70.461,19.509 72.183,19.509